# KiCad board Leviathan.kicad_pcb (continued)
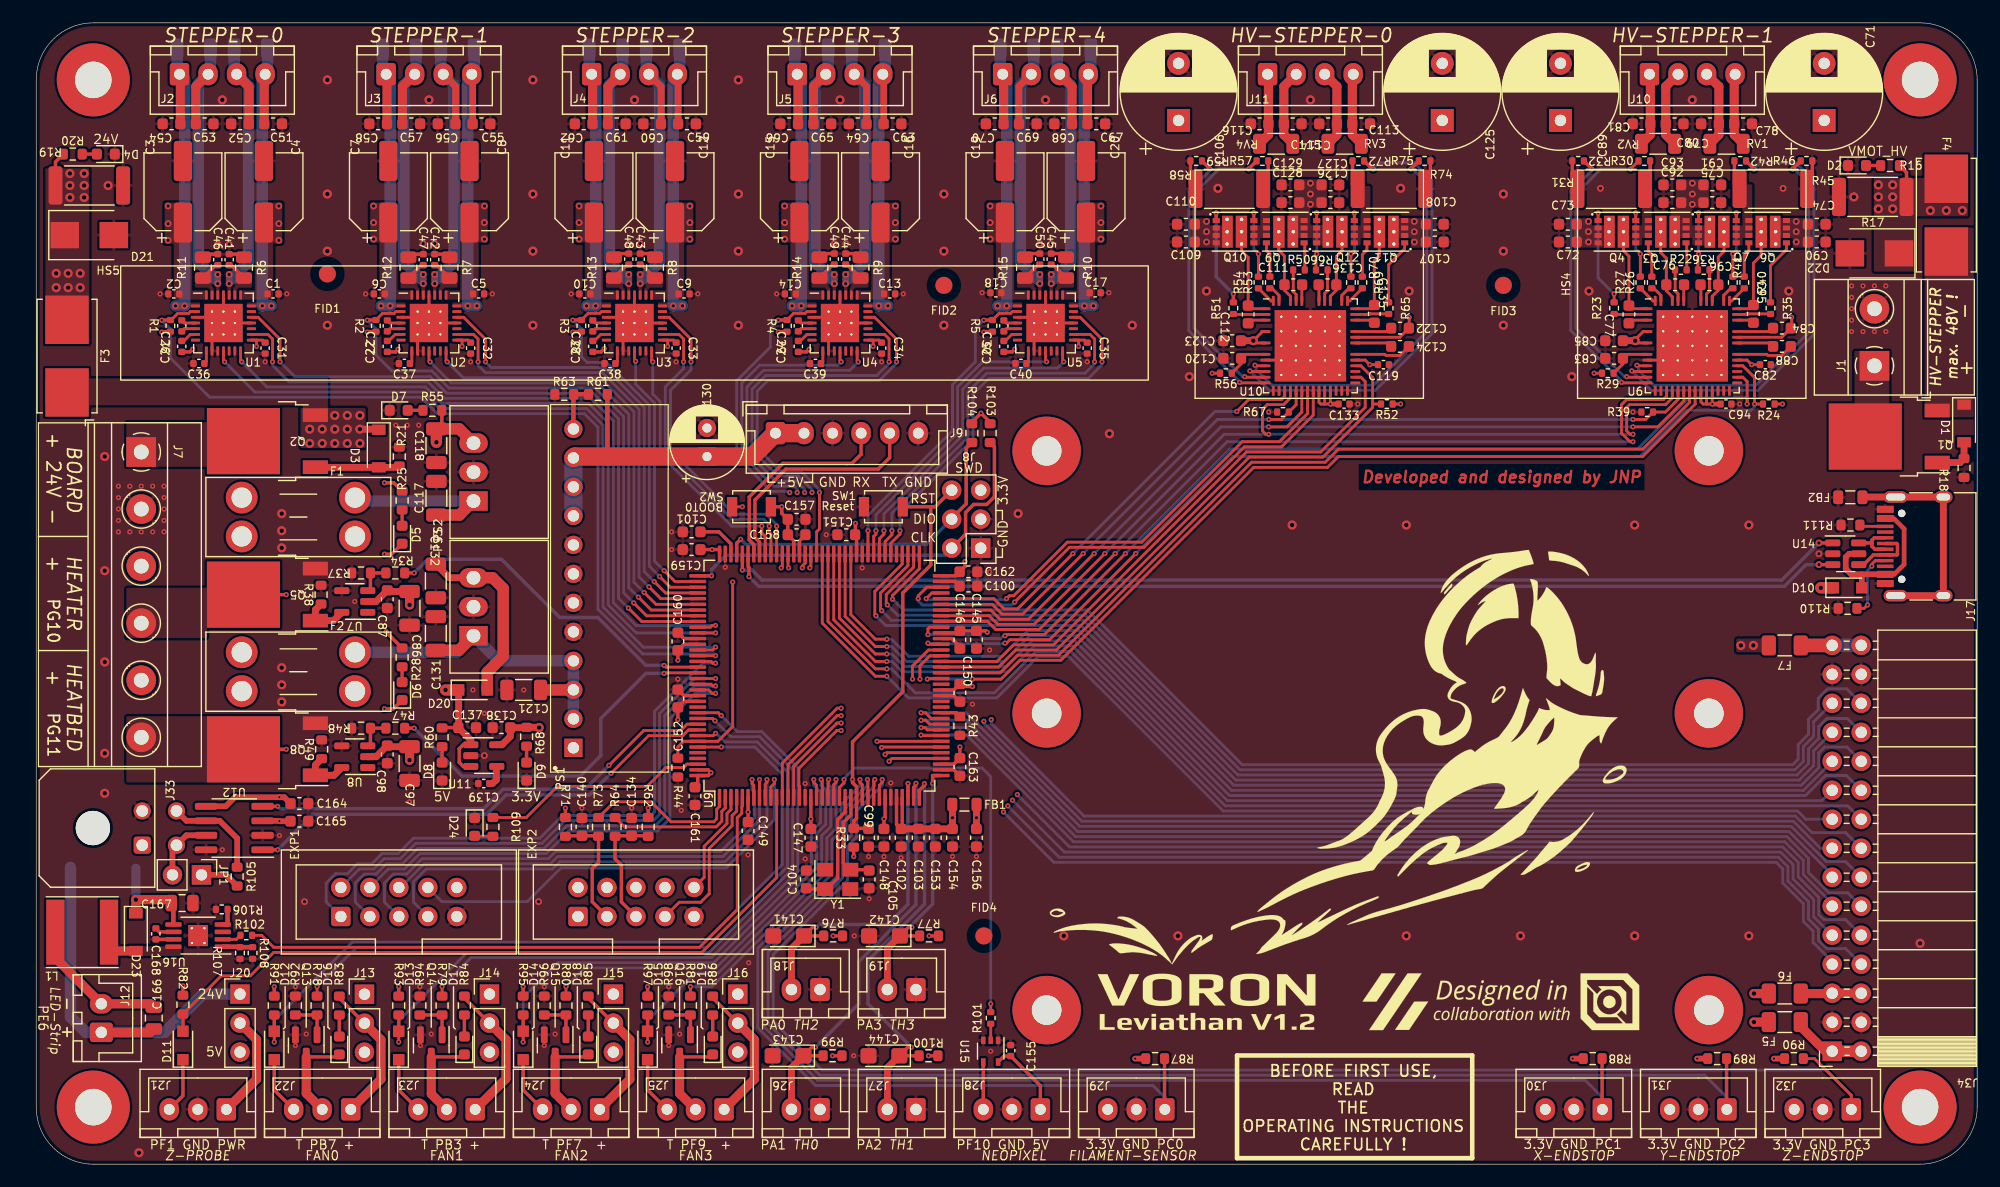
[diagram p0: board, top side]
## Routing (per net, layer and track width the routed paths; a pad name or vN(x,y) marks a point on that pad's centre or on a via; arc(x,y) is an arc through that point) (continued)
  In1.Cu w0.25: v1(70.5,39.3) 74.22,39.3 78.22,35.3 82.1,35.3 v1(85.51,31.89)
  Bottom w0.25: v1(85.51,31.89) 90.05,27.34 152.78,27.34 153.88,26.25 153.88,24.99 155.68,23.19 155.68,21.69 J34.9
PF4: length 108.8
  Top w0.25: v1(70.5,38.65) 70.14,38.65 66.35,34.86 U9.14
  In1.Cu w0.25: v1(85.1,31.39) 81.63,34.85 78.04,34.85 74.24,38.65 v1(70.5,38.65)
  Bottom w0.25: v1(85.1,31.39) 89.59,26.9 152.59,26.9 153.43,26.06 153.43,24.81 155.22,23.01 155.22,21.47 156.1,20.6 156.1,19.6 156.81,18.88 158.47,18.88 J34.8
PF5: length 105.3
  Top w0.25: v1(70.5,38) 70.12,38 66.8,34.68 66.8,33.12 66.85,33.07 U9.15
  In1.Cu w0.25: v1(70.5,38) 74.25,38 77.85,34.4 81.18,34.4 v1(84.72,30.86)
  Bottom w0.25: J34.7 157.3,17.76 155.63,19.43 155.63,20.42 154.78,21.28 154.78,22.82 152.97,24.62 152.97,25.88 152.41,26.44 89.13,26.44 v1(84.72,30.86)
PG2: length 104.7
  Top w0.25: U9.87 70.35,47.85 73.5,44.7 v1(74.5,44.7)
  Bottom w0.25: J34.20 158.55,34.05 156.72,34.05 154.97,32.3 104.51,32.3 90.96,45.85 87.21,45.85 84.96,43.6 76.04,43.6 74.94,44.7 v1(74.5,44.7)
PG3: length 102
  Top w0.25: U9.88 69.85,47.7 73.5,44.05 v1(74.5,44.05)
  Bottom w0.25: v1(74.5,44.05) 74.95,44.05 75.85,43.15 85.15,43.15 87.4,45.4 90.77,45.4 104.32,31.85 156.39,31.85 J34.19
PG4: length 106.6
  Top w0.25: v1(74.5,43.4) 73.5,43.4 69.35,47.55 U9.89
  Bottom w0.25: v1(74.5,43.4) 74.9,43.4 77,41.3 83.94,41.3 87.57,44.93 90.6,44.93 104.14,31.4 158.66,31.4 J34.18
PG5: length 104.6
  Top w0.25: U9.90 68.85,47.4 73.5,42.75 v1(74.5,42.75)
  Bottom w0.25: v1(74.5,42.75) 76.4,40.85 84.12,40.85 87.75,44.48 90.42,44.48 103.96,30.94 154.27,30.94 154.99,30.22 J34.17
PWM_FAN0: length 64
  Top w0.25: U9.137 59.3,37.55 v1(59.5,37.75) ; R78.1 v1(24.6,15.55)
  Bottom w0.25: v1(24.6,15.55) 28.05,19 58.74,19 65.8,26.06 65.8,34.35 63.15,37 60.33,37 59.58,37.75 v1(59.5,37.75)
PWM_FAN1: length 56
  Top w0.25: R79.1 v1(35.55,15.55) ; v1(60,39.3) 59.75,39.55 U9.133
  Bottom w0.25: v1(60,39.3) 61.4,37.9 63.55,37.9 66.71,34.74 66.71,25.66 59.15,18.1 38.1,18.1 v1(35.55,15.55)
PWM_FAN2: length 36.9
  Top w0.25: v1(68.75,33.7) 68.85,33.6 U9.19 ; R80.1 v1(46.4,15.55)
  Bottom w0.25: v1(68.75,33.7) 68.75,33.2 69.15,32.8 69.15,29.77 68.35,28.97 68.35,26.01 59.54,17.2 48.05,17.2 v1(46.4,15.55)
PWM_FAN3: length 27
  Top w0.25: U9.21 69.85,33.25 70.05,33.45 v1(70.05,33.7) ; R81.1 v1(57.3,15.55)
  Bottom w0.25: v1(70.05,33.7) 70.05,29.4 69.25,28.6 69.25,25.61 59.19,15.55 v1(57.3,15.55)
PWM_Heatbed: length 33.1
  Top w0.25: v1(55,43) 55.05,43.05 U9.126
  Top w0.3: R47.1 v1(33.1,38.2)
  Bottom w0.3: v1(33.1,38.2) 37.3,34 47.65,34 49.45,35.8 49.45,39.05 53.4,43 v1(55,43)
PWM_Hotend: length 30.1
  Top w0.25: U9.125 55.15,43.55 v1(55,43.7)
  Top w0.3: R34.1 v1(33.1,51.8)
  Bottom w0.3: v1(33.1,51.8) 34.3,53 40.75,53 45.85,47.9 49.2,47.9 53.4,43.7 v1(55,43.7)
SD_DET: length 14.1
  Top w0.25: EXP2.7 56.32,22.95 58.2,22.95 58.95,23.7 58.95,27.66 60.95,29.66 60.95,30.54 61.35,30.94 U9.4
SPI1_CS: length 36
  Top w0.25: U9.40 74.95,35.55 v1(74.7,35.3)
  In1.Cu w0.25: EXP2.4 53.25,27.5 58.36,27.5 61.3,30.44 61.3,33.99 62.61,35.3 v1(74.7,35.3)
SPI1_MISO: length 44.2
  Top w0.25: U9.42 74.1,36.55 v1(74.05,36.5)
  In1.Cu w0.25: v1(74.05,36.5) 62.54,36.5 60.4,34.36 60.4,30.81 57.99,28.4 49.45,28.4 45.8,24.75 45.8,23.35 EXP2.1
SPI1_MOSI: length 55.1
  Top w0.25: U9.43 v1(73.65,37.05)
  In1.Cu w0.25: EXP2.6 51.25,22.96 51.25,21 50.5,20.25 46.25,20.25 45.35,21.15 45.35,24.94 49.26,28.85 57.8,28.85 59.95,31 59.95,34.55 62.45,37.05 v1(73.65,37.05)
SPI1_SCK: length 38.8
  Top w0.25: U9.41 74.5,36.05 v1(74.35,35.9)
  In1.Cu w0.25: v1(74.35,35.9) 62.57,35.9 60.85,34.18 60.85,30.63 58.17,27.95 51.16,27.95 EXP2.2
SPI2_CLK: length 98.2
  Top w0.25: U9.74 76.85,52.31 74.45,49.91 74.45,49.1 v1(74.55,49)
  Bottom w0.25: v1(74.55,49) 75.45,48.1 91.89,48.1 105.44,34.55 154.04,34.55 154.78,35.29 154.78,36.59 155.68,37.49 155.68,38.75 J34.25
SPI2_CS: length 101.2
  Top w0.25: U9.73 77.35,52.17 75,49.82 v1(75,49.5)
  Bottom w0.25: v1(75,49.5) 75.95,48.55 92.08,48.55 105.63,35 153.85,35 154.32,35.47 154.32,36.77 155.22,37.67 155.22,38.97 156.08,39.83 156.08,40.82 156.91,41.65 158.57,41.65 J34.26
SPI2_MISO: length 101.7
  Top w0.25: v1(74.05,48.5) 73.95,48.6 73.95,50.04 76.35,52.44 U9.75
  Bottom w0.25: J34.24 158.63,39.05 156.85,39.05 156.12,38.33 156.12,37.3 155.22,36.4 155.22,35.1 154.22,34.1 105.25,34.1 91.7,47.65 74.9,47.65 v1(74.05,48.5)
SPI2_MOSI: length 98.7
  Top w0.25: v1(73.55,48.05) 73.45,48.15 73.45,50.18 75.85,52.58 U9.76
  Bottom w0.25: J34.23 155.68,36.22 155.68,34.92 154.41,33.65 105.07,33.65 91.52,47.2 74.4,47.2 v1(73.55,48.05)
SPI4_MISO: length 79.5
  Top w0.25: v1(139.85,64.6) 142.03,64.6 144.3,66.87 U6.17 ; v1(107.95,64.6) 109.55,64.6 110.85,65.9 U10.17 ; v1(92.66,53.49) 86.91,47.75 84.4,47.75 83.6,48.55 U9.66
  Bottom w0.25: v1(92.66,53.49) 103.76,64.6 v1(107.95,64.6) v1(139.85,64.6)
SPI4_MOSI: length 77.6
  Top w0.25: U6.16 143.8,67 142.7,65.9 R39.2 140.96,65.25 v1(139.85,65.25) ; U10.16 110.35,66.54 R67.2 109.06,65.25 v1(107.95,65.25) ; v1(91.7,53.5) 86.4,48.2 84.59,48.2 83.74,49.05 U9.67
  Bottom w0.25: v1(91.7,53.5) 103.45,65.25 v1(107.95,65.25) v1(139.85,65.25)
SPI4_SCK: length 81.5
  Top w0.25: v1(107.95,63.95) 107.7,63.95 107.4,64.25 107.4,66.13 107.82,66.55 109.26,66.55 109.85,67.14 U10.15 ; U9.65 83.46,48.05 84.21,47.3 87.4,47.3 v1(93.6,53.5) ; v1(139.85,63.95) 139.6,63.95 139.3,64.25 139.3,66.3 139.55,66.55 142.71,66.55 143.3,67.14 U6.15
  Bottom w0.25: v1(139.85,63.95) v1(107.95,63.95) 104.05,63.95 v1(93.6,53.5)
STEP_DRV0: length 63.5
  Top w0.25: v1(20.7,70.3) 20.7,72.3 20.3,72.7 U1.16 ; v1(59.5,47.2) 59.2,47.2 59.05,47.05 U9.118
  Bottom w0.25: v1(59.5,47.2) 52.54,47.2 50.55,49.19 50.55,65.13 48.58,67.1 35.75,67.1 34.3,68.55 22.13,68.55 20.7,69.98 v1(20.7,70.3)
STEP_DRV1: length 40.6
  Top w0.25: v1(53.68,50.58) 54.7,49.55 U9.113 ; v1(38.7,70.3) 38.7,72.3 38.3,72.7 U2.16
  Bottom w0.25: v1(38.7,70.3) 38.7,69.98 39.33,69.35 49.58,69.35 52.8,66.13 52.8,51.45 v1(53.68,50.58)
STEP_DRV2: length 27
  Top w0.25: U3.16 56.3,72.7 56.7,72.3 v1(56.7,70.3) ; v1(64.2,55.9) 64.2,55.35 64.35,55.2 U9.99
  Bottom w0.25: v1(56.7,70.3) 56.7,69.7 55.1,68.1 55.1,62.36 60.96,56.5 63.73,56.5 64.2,56.03 v1(64.2,55.9)
STEP_DRV3: length 37.3
  Top w0.25: v1(67.75,52.25) 67.85,52.35 U9.92 ; U4.16 74.3,72.7 74.7,72.3 v1(74.7,70.3)
  In1.Cu w0.25: v1(67.95,58.85) 67.95,53.2 67.75,53 v1(67.75,52.25)
  Bottom w0.25: v1(67.95,58.85) 67.95,59.1 66.75,60.3 64.96,60.3 62.7,62.56 62.7,67.91 63.89,69.1 73.63,69.1 74.7,70.17 v1(74.7,70.3)
STEP_DRV4: length 33.5
  Top w0.25: U9.79 74.35,54.55 74.95,55.15 v1(74.95,55.5) ; U5.16 92.3,72.7 92.7,72.3 v1(92.7,70.3)
  Bottom w0.25: v1(92.7,70.3) 92.7,70.14 91.86,69.3 83.25,69.3 81.6,67.65 81.6,63.69 74.95,57.04 v1(74.95,55.5)
STEP_DRV_HV0: length 43.7
  Top w0.25: U9.69 78.45,50.05 v1(77.95,49.55) ; U10.18 111.35,65.76 108.89,63.3 105.63,63.3 96.83,54.5 90.31,54.5 85.61,49.8 85.23,49.8 v1(84.98,49.55)
  Bottom w0.25: v1(77.95,49.55) 78.05,49.45 84.88,49.45 v1(84.98,49.55)
STEP_DRV_HV1: length 76.4
  Top w0.25: U9.55 84.42,43.05 85.97,44.6 89.55,44.6 106.45,61.5 112.9,61.5 114.05,62.65 140.72,62.65 144.8,66.73 U6.18
SWCLK: length 35.2
  Top w0.3: J8.2 81.4,55.19 81.4,57.1 82.1,57.8 83.25,57.8 83.93,58.47 83.93,62.85 R103.2 ; v1(59.15,51.55) U9.109
  Bottom w0.3: v1(59.15,51.55) 59.15,52.1 60.4,53.35 79.56,53.35 J8.2
SWDIO: length 28.5
  Top w0.3: J8.4 80.19,56.59 81.45,57.86 81.45,62.72 R104.2 ; v1(61.7,54.75) 61.35,54.4 U9.105
  Bottom w0.3: v1(61.7,54.75) 62.15,54.3 77.97,54.3 J8.4
TACH0: length 70.7
  Top w0.25: U9.139 v1(60,36.55) ; D12.2 v1(20.85,10.7)
  Top w0.3: R91.2 D12.2
  Bottom w0.25: v1(20.85,10.7) 20.85,12.61 27.69,19.45 58.54,19.45 65.35,26.26 65.35,34.15 62.95,36.55 v1(60,36.55)
TACH1: length 63.1
  Top w0.25: v1(59.45,38.85) 59.25,39.05 U9.134 ; D13.2 v1(31.75,10.7)
  Top w0.3: R93.2 D13.2
  Bottom w0.25: v1(31.75,10.7) 31.75,12.56 37.74,18.55 58.92,18.55 66.26,25.88 66.26,34.56 63.36,37.45 60.85,37.45 v1(59.45,38.85)
TACH2: length 46.1
  Top w0.25: v1(68.1,33.7) 68.1,33.45 68.35,33.2 U9.18 ; D14.2 v1(42.65,10.7)
  Top w0.3: R95.2 D14.2
  Bottom w0.25: v1(68.1,33.7) 68.1,33.21 68.7,32.61 68.7,29.95 67.9,29.15 67.9,26.21 59.34,17.65 45.7,17.65 42.65,14.6 v1(42.65,10.7)
TACH3: length 34.9
  Top w0.25: D15.2 v1(53.55,10.7) ; U9.20 69.35,33.65 v1(69.4,33.7)
  Top w0.3: R97.2 D15.2
  Bottom w0.25: v1(53.55,10.7) 53.55,12.58 57.72,16.75 59.74,16.75 68.8,25.81 68.8,28.78 69.6,29.58 69.6,33.05 69.4,33.25 v1(69.4,33.7)
TH0: length 36.1
  Top w0.3: R99.2 C143.1 67.95,10.25 v1(68.25,10.25) ; 77,33.15 76.85,33 U9.35
  Top w0.6: C143.1 66.15,8.45 J26.2
  Bottom w0.3: v1(77.05,33.37) 77.05,22.75 72.05,17.75 72.05,14.05 v1(68.25,10.25)
TH1: length 36.3
  Top w0.3: U9.36 77.35,32.75 77.8,33.2 v1(77.8,33.35) ; R100.2 C144.1 76.35,10.25 v1(76.65,10.25)
  Top w0.6: C144.1 74.55,8.45 J27.2
  Bottom w0.3: v1(77.8,33.35) 77.8,22.79 72.85,17.84 72.85,14.05 v1(76.65,10.25)
TH2: length 28.9
  Top w0.3: R76.2 C141.1 68,20.75 v1(68.3,20.75) ; U9.34 v1(76.35,33.35)
  Top w0.6: J18.2 66.15,18.9 C141.1
  Bottom w0.3: v1(68.3,20.75) 68.55,21 74.57,21 76.35,22.78 v1(76.35,33.35)
TH3: length 23
  Top w0.3: U9.37 78.51,34.05 v1(78.51,33.36) ; 77.38,20 C142.1 76.4,20.75 v1(76.7,20.75)
  Top w0.6: C142.1 74.55,18.9 J19.2
  Bottom w0.3: v1(76.7,20.75) 76.7,20.99 78.51,22.8 v1(78.51,33.36)
UART_DRV0: length 63.2
  Top w0.25: U9.119 v1(59.5,46.55) ; U1.14 17.9,70.4 v1(18,70.3)
  Bottom w0.25: v1(18,70.3) 20.2,68.1 34.09,68.1 35.54,66.65 48.39,66.65 50.1,64.94 50.1,49 52.55,46.55 v1(59.5,46.55)
UART_DRV1: length 40.5
  Top w0.25: U9.114 54.29,49.05 v1(53.25,50.09) ; U2.14 35.9,70.4 v1(36,70.3)
  Bottom w0.25: v1(53.25,50.09) 52.35,50.99 52.35,65.94 49.39,68.9 37.4,68.9 v1(36,70.3)
UART_DRV2: length 23.4
  Top w0.25: v1(63.55,55.9) 63.55,55.3 63.85,55 U9.100 ; v1(54,70.3) 53.9,70.4 U3.14
  Bottom w0.25: v1(63.55,55.9) 60.93,55.9 54.65,62.18 54.65,66.83 54,67.48 v1(54,70.3)
UART_DRV3: length 32
  Top w0.25: U4.14 71.9,70.4 v1(72,70.3) ; v1(67.1,52.25) 67.1,52.41 67.35,52.66 U9.93
  In1.Cu w0.25: v1(67.1,52.25) 67.1,53.14 67.3,53.34 v1(67.3,58.85)
  Bottom w0.25: v1(72,70.3) 71.25,69.55 63.7,69.55 62.25,68.1 62.25,62.37 64.77,59.85 66.56,59.85 67.3,59.11 v1(67.3,58.85)
UART_DRV4: length 28.3
  Top w0.25: U9.80 73.85,54.8 74.25,55.2 v1(74.25,55.5) ; U5.14 89.9,70.4 v1(90,70.3)
  Bottom w0.25: v1(90,70.3) 89.45,69.75 82.99,69.75 81.15,67.91 81.15,63.87 74.25,56.97 v1(74.25,55.5)
UART_RX: length 18.4
  Top w0.3: U9.102 62.85,54.3 62.45,54.7 62.45,58.45 65.4,61.4 71.45,61.4 72.25,62.2 J9.4
UART_TX: length 20.4
  Top w0.3: U9.101 63.35,54.51 62.95,54.91 62.95,58.2 65.65,60.9 73.75,60.9 74.75,61.9 J9.5
USB_N: length 98.1
  Top w0.3: v1(62.42,51.48) 62.42,52.29 62.35,52.36 U9.103 ; 157.39,52.53 v2(156.14,52.53)
  Bottom w0.3: v1(62.42,51.48) 63.28,50.62 153.11,50.62 155.02,52.53 v2(156.14,52.53)
USB_P: length 98.7
  Top w0.3: 157.39,54.43 v2(156.14,54.43) ; U9.104 v1(61.85,52.05)
  Bottom w0.3: v2(156.14,54.43) 152.88,51.17 63.58,51.17 62.7,52.05 v1(61.85,52.05)
VMOT_1: length 15
  Top w0.25: v1(120.25,74.2) 120.25,73.28 C122.1 119.43,72.45 U10.33 ; v1(153.75,74.2) 153.75,73.33 C84.1 152.88,72.45 U6.33
  Top w0.3: R17.2 163.81,86.89 R16.2
  vias: v2(102.5,82.6) v2(102.5,81.7) v2(102.5,80.8) v2(111.6,85.95) v2(111.6,85) v2(111.6,84.1) v2(120.7,82.6) v2(120.7,81.7) v2(120.7,80.8) v2(135.95,82.6) v2(135.95,81.7) v2(135.95,80.8) v2(145.05,85.95) v2(145.05,85) v2(145.05,84.1) v2(154.15,82.6) v2(154.15,81.7) v2(154.15,80.8) v3(161.35,85.8) v3(161.35,84.75) v3(161.35,83.7) v3(162.6,85.8) v3(162.6,84.75) v3(162.6,83.7) v3(165.9,83.55) v3(167.3,83.55) v3(168.7,83.55)
X-Endstop: length 108.6
  Top w0.25: U9.27 72.85,33.65 v1(72.8,33.7)
  Top w0.3: R88.1 137.15,4.82 J30.1
  Bottom w0.25: J30.1 137.18,5.85 135.68,7.35 68.44,7.35 63.65,12.14 63.65,18.74 70.15,25.24 70.15,28.22 70.95,29.02 70.95,31.32 72.8,33.17 v1(72.8,33.7)
Y-Endstop: length 119
  Top w0.25: v1(73.45,33.7) 73.35,33.6 U9.28
  Top w0.3: J31.1 148.05,4.82 R89.1
  Bottom w0.25: J31.1 148.07,5.85 146.13,7.8 68.62,7.8 64.1,12.32 64.1,18.55 70.6,25.05 70.6,28.04 71.4,28.84 71.4,31.14 73.45,33.19 v1(73.45,33.7)
Z-Endstop: length 131.9
  Top w0.25: U9.29 73.85,33.2 74.1,33.45 v1(74.1,33.7) ; J32.1 158.97,6.03 155.75,9.25 154.78,9.25
  Bottom w0.25: J32.1 158.97,6.05 156.78,8.25 68.81,8.25 64.55,12.51 64.55,18.37 71.05,24.87 71.05,27.85 71.85,28.65 71.85,30.95 74.1,33.2 v1(74.1,33.7)
Z_PROBE: length 65.5
  Top w0.25: U9.11 64.85,25.1 58.3,18.55 20.8,18.55 18.75,16.5 16.2,16.5 R82.2
  Top w0.3: R82.2 D11.2
~{RESET}: length 58.6
  Top w0.3: 78.35,57.6 78.73,57.6 80.19,59.06 ; 78.35,57.6 78.35,52.5 75.9,50.05 75.9,41.4 71.5,37 v1(71.5,33.7) 71.5,33.43 71.85,33.08 U9.25 71.85,30.3 71.6,30.05 71.6,29.43 72.85,29.43 C99.1 ; 78.35,57.6 SW1.2
  In1.Cu w0.25: v1(71.5,33.7) 71.5,32.4 65.05,25.95 56.78,25.95 EXP2.8
Net-(C21-Pad2): length 1.4
  Top w0.25: U1.6 13.5,72.7 12.93,72.13 C21.2
Net-(C22-Pad2): length 1.4
  Top w0.25: U2.6 31.45,72.7 30.88,72.13 C22.2
Net-(C23-Pad2): length 1.4
  Top w0.25: U3.6 49.45,72.7 48.88,72.13 C23.2
Net-(C24-Pad2): length 1.4
  Top w0.25: C24.2 66.93,72.13 67.5,72.7 U4.6
Net-(C25-Pad2): length 1.4
  Top w0.25: U5.6 85.45,72.7 84.88,72.13 C25.2
Net-(C26-Pad1): length 1.3
  Top w0.25: C26.1 12.98,73.7 U1.4
Net-(C26-Pad2): length 1.3
  Top w0.25: C26.2 12.98,73.2 U1.5
Net-(C27-Pad1): length 1.3
  Top w0.25: U2.4 30.98,73.7 C27.1
Net-(C27-Pad2): length 1.3
  Top w0.25: C27.2 30.98,73.2 U2.5
Net-(C28-Pad1): length 1.3
  Top w0.25: U3.4 48.98,73.7 C28.1
Net-(C28-Pad2): length 1.3
  Top w0.25: U3.5 48.98,73.2 C28.2
Net-(C29-Pad1): length 1.3
  Top w0.25: C29.1 66.98,73.7 U4.4
Net-(C29-Pad2): length 1.3
  Top w0.25: C29.2 66.98,73.2 U4.5
Net-(C30-Pad1): length 1.3
  Top w0.25: C30.1 84.98,73.7 U5.4
Net-(C30-Pad2): length 1.3
  Top w0.25: U5.5 84.98,73.2 C30.2
Net-(C36-Pad2): length 1.2
  Top w0.25: U1.8 14.9,70.32 C36.2
Net-(C37-Pad2): length 1.2
  Top w0.25: U2.8 32.9,70.32 C37.2
Net-(C38-Pad2): length 1.2
  Top w0.25: C38.2 50.9,70.32 U3.8
Net-(C39-Pad2): length 1.2
  Top w0.25: C39.2 68.9,70.32 U4.8
Net-(C40-Pad2): length 1.2
  Top w0.25: U5.8 86.9,70.32 C40.2
Net-(C41-Pad2): length 1.8
  Top w0.3: C41.2 17.07,78.77 R6.1
Net-(C42-Pad2): length 1.8
  Top w0.3: R7.1 35.07,78.77 C42.2
Net-(C43-Pad2): length 1.8
  Top w0.3: C43.2 53.02,78.82 R8.1
Net-(C44-Pad2): length 1.8
  Top w0.3: C44.2 71.02,78.82 R9.1
Net-(C45-Pad2): length 1.8
  Top w0.3: C45.2 89.02,78.82 R10.1
Net-(C46-Pad2): length 1.8
  Top w0.3: R11.1 15.73,78.77 C46.2
Net-(C47-Pad2): length 1.8
  Top w0.3: R12.1 33.73,78.77 C47.2
Net-(C48-Pad2): length 1.8
  Top w0.3: R13.1 51.78,78.82 C48.2
Net-(C49-Pad2): length 1.8
  Top w0.3: C49.2 69.78,78.82 R14.1
Net-(C50-Pad2): length 1.8
  Top w0.3: C50.2 87.78,78.82 R15.1
Net-(C76-Pad1): length 12.3
  Top w0.25: Q3.9 142.28,79.87 142.78,79.38 C76.1 142.78,76.53 143.3,76 U6.45
  Top w0.8: RV2.1 142.72,90.19 C80.1 142.72,94.42 J10.2
Net-(C76-Pad2): length 1.4
  Top w0.25: U6.43 144.3,77.03 144.32,77.05
Net-(C77-Pad1): length 13.8
  Top w0.25: U6.1 139.78,74.95 139.5,75.22 139.5,79.55 139.02,80.03 Q4.9
  Top w0.8: J10.1 141.38,95.42 C81.1 141.38,90.19 RV2.2
Net-(C77-Pad2): length 1.7
  Top w0.25: U6.3 139.78,73.95 C77.2
Net-(C78-Pad1): length 13.6
  Top w0.25: U6.37 150.07,74.95 C95.1 150.4,78.94 151.08,79.62 Q6.9
  Top w0.8: RV1.2 148.72,90.19 C78.1 148.72,95.42 J10.4
Net-(C79-Pad1): length 12.3
  Top w0.25: U6.40 146.8,76.04 147.32,76.57 147.32,79.48 147.82,79.98 Q7.9
  Top w0.8: RV1.1 147.38,90.19 C79.1 147.38,94.42 J10.3
Net-(C82-Pad1): length 19
  Top w0.25: C82.1 v1(150.25,70.05) 149.85,70.45 U6.30 ; R29.1 v1(136.45,69.3)
  In1.Cu w0.4: v1(150.25,70.05) 150.25,69.45 148.1,67.3 138.45,67.3 v1(136.45,69.3)
Net-(C83-Pad1): length 3.9
  Top w0.25: U6.6 139.32,70.95 C83.1 138.97,70.11 R29.2
Net-(C84-Pad2): length 3.3
  Top w0.25: C84.2 151.82,72.95 U6.34
Net-(C88-Pad1): length 5.1
  Top w0.25: C88.1 152.87,70.85 151.67,70.85 151.57,70.95 U6.31
Net-(C88-Pad2): length 3.3
  Top w0.25: C88.2 151.82,71.95 U6.32
Net-(C95-Pad2): length 1.5
  Top w0.25: U6.35 150.18,73.95 C95.2
Net-(C96-Pad2): length 1.4
  Top w0.25: U6.42 145.8,77.03 C96.2
Net-(C100-Pad1): length 1.8
  Top w0.3: U9.71 80.47,51.05 C100.1
Net-(C101-Pad1): length 4
  Top w0.3: U9.106 60.85,54.35 59.8,55.4 C101.1
Net-(C104-Pad1): length 10.5
  Top w0.3: U9.23 70.85,30.85 70.2,30.2 70.2,25.05 69.25,24.1 Y1.1 67.53,24.1 67.45,24.18
Net-(C105-Pad1): length 8.5
  Top w0.3: U9.24 71.35,30.6 70.7,29.95 70.7,26.4 Y1.3 72.88,25.8 C105.1
Net-(C111-Pad1): length 12.3
  Top w0.25: U10.45 109.85,76.05 109.32,76.58 C111.1 109.32,79.58 108.83,80.07 Q9.9
  Top w0.8: RV4.1 109.28,90.19 C115.1 109.28,94.42 J11.2
Net-(C111-Pad2): length 1.4
  Top w0.25: C111.2 110.85,77.03 U10.43
Net-(C112-Pad1): length 13.7
  Top w0.25: U10.1 106.43,74.95 106.15,75.22 106.15,79.44 105.57,80.02 Q10.9
  Top w0.8: J11.1 107.93,95.42 C116.1 107.93,90.19 RV4.2
Net-(C112-Pad2): length 1.6
  Top w0.25: C112.2 106.43,73.95 U10.3
Net-(C113-Pad1): length 13.8
  Top w0.25: U10.37 116.88,74.95 C135.1 117.2,79.14 117.63,79.57 117.63,80.62
  Top w0.8: RV3.2 115.28,90.19 C113.1 115.28,95.42 J11.4
Net-(C114-Pad1): length 12.3
  Top w0.25: Q12.9 114.37,80.02 113.88,79.53 C136.1 113.88,76.58 113.35,76.05 U10.40
  Top w0.8: RV3.1 113.93,90.19 C114.1 113.93,94.42 J11.3
Net-(C119-Pad1): length 19
  Top w0.25: C119.1 v1(116.8,70.05) 116.4,70.45 U10.30 ; R56.1 v1(103,69.3)
  In1.Cu w0.4: v1(103,69.3) 105,67.3 114.65,67.3 116.8,69.45 v1(116.8,70.05)
Net-(C120-Pad1): length 3.9
  Top w0.25: U10.6 105.88,70.95 C120.1 105.53,70.11 R56.2
Net-(C122-Pad2): length 3.3
  Top w0.25: 118.68,73.25 118.38,72.95 U10.34
Net-(C124-Pad1): length 5.1
  Top w0.25: U10.31 118.12,70.95 118.22,70.85 119.42,70.85 C124.1
Net-(C124-Pad2): length 3.3
  Top w0.25: 118.68,71.65 118.38,71.95 U10.32
Net-(C132-Pad1): length 16.3
  Top w0.6: 35,52.58 36.19,51.38 PS3.3
  Top w1: PS3.3 39.97,51.38 40.9,50.45 40.9,44.5 39.5,43.1 D20.2
Net-(C135-Pad2): length 1.8
  Top w0.25: C135.2 116.97,73.95 U10.35
Net-(C136-Pad2): length 1.4
  Top w0.25: C136.2 112.35,77.03 U10.42
Net-(C139-Pad1): length 1.6
  Top w0.6: 39.97,33.35 40.3,33.67 40.3,34.85
Net-(C166-Pad2): length 12.7
  Top w0.8: L1.2 1.68,18.07 J12.2 10,14.05 C166.2
Net-(C168-Pad1): length 1.7
  Top w0.3: U16.6 10.78,20.35 C168.1
Net-(D1-Pad1): length 0.2
  Top w0.6: 166.69,66.17 166.52,66
Net-(D1-Pad2): length 3.9
  Top w0.6: Q1.1 168.5,61.47 R18.1 D1.2
Net-(D2-Pad2): length 1.3
  Top w0.3: D2.2 R16.1
Net-(D3-Pad2): length 7.4
  Top w0.6: Q2.1 24.47,61.05 D3.2 31.67,61.05 R21.1
Net-(D4-Pad2): length 1.3
  Top w0.3: D4.2 4.02,88.5
Net-(D5-Pad2): length 1.4
  Top w0.3: R25.1 D5.2
Net-(D6-Pad2): length 1.3
  Top w0.3: R28.1 D6.2
Net-(D7-Pad2): length 1.3
  Top w0.3: R55.1 D7.2
Net-(D8-Pad2): length 1.4
  Top w0.3: R60.1 D8.2
Net-(D9-Pad2): length 1.4
  Top w0.3: R68.1 D9.2
Net-(D10-Pad2): length 13.5
  Top w0.4: 161.94,51.68 162.73,51.68 163.6,52.55 163.6,55.67 162.69,56.58
  Top w0.5: 159.9,51.68 161.94,51.68 ; 159.9,51.68 D10.2 ; 159.9,51.68 158.97,51.68 158.49,52.16 158.49,53.19 158.78,53.48 159.59,53.48
Net-(D11-Pad1): length 4.8
  Top w0.3: D11.1 12.85,6 J21.3
Net-(D12-Pad1): length 5.1
  Top w0.3: D12.1 20.85,6.5 J22.3
Net-(D13-Pad1): length 5.1
  Top w0.3: J23.3 31.75,6.5 D13.1
Net-(D14-Pad1): length 5.1
  Top w0.3: D14.1 42.65,6.5 J24.3
Net-(D15-Pad1): length 5.1
  Top w0.3: D15.1 53.55,6.5 J25.3
Net-(D16-Pad1): length 8.2
  Top w0.3: D16.1 26.34,9.4 23.65,9.4
  Top w0.8: J22.2 23.65,6.2 23.65,9.4
Net-(D16-Pad2): length 1.9
  Top w0.3: R83.1 D16.2
Net-(D17-Pad1): length 8.1
  Top w0.3: 34.6,9.4 37.29,9.4 D17.1
  Top w0.8: 34.6,9.4 34.6,6.15 J23.2
Net-(D17-Pad2): length 1.9
  Top w0.3: R84.1 D17.2
Net-(D18-Pad1): length 8.2
  Top w0.3: 45.45,9.4 48.14,9.4 D18.1
  Top w0.8: J24.2 45.45,6.2 45.45,9.4
Net-(D18-Pad2): length 1.9
  Top w0.3: R85.1 D18.2
Net-(D19-Pad1): length 8.2
  Top w0.3: D19.1 59.04,9.4 56.35,9.4
  Top w0.8: J25.2 56.35,6.2 56.35,9.4
Net-(D19-Pad2): length 1.9
  Top w0.3: R86.1 D19.2
Net-(D23-Pad2): length 4
  Top w0.8: 8.73,18.68 6.38,18.68 L1.1
Net-(D24-Pad2): length 1.6
  Top w0.25: 40,28.72 38.44,28.72 D24.2
Net-(F1-Pad1): length 15.7
  Top w0.3: R25.2 31.33,59.7 v1(30.5,59.7)
  In1.Cu w0.3: F1.1 20.25,60.65 29.55,60.65 v1(30.5,59.7)
Net-(F2-Pad1): length 15.8
  Top w0.3: v1(30.65,46.65) 30.65,46.62 32.05,45.22
  In1.Cu w0.3: F2.1 20.3,47.15 30.15,47.15 v1(30.65,46.65)
Net-(F5-Pad1): length 6.6
  Top w0.8: J34.1 156.7,9.9 154.55,12.05 F5.1
  Top w1: J34.2 J34.1
Net-(F6-Pad1): length 5.3
  Top w0.8: J34.6 J34.5 157.27,14.95 F6.1
Net-(F7-Pad1): length 5.3
  Top w1.2: J34.29 157.29,45.45 F7.1
  Bottom w1.2: J34.29 J34.30
Net-(FB2-Pad1): length 19.9
  Top w0.6: FB2.1 159.97,58.45 J17.S1 J17.S1 J17.S1 J17.S1
Net-(J13-Pad2): length 12.5
  Top w0.3: R83.2 26.55,14.55 J13.2
  Top w0.8: J13.2 30.2,10.9 30.2,7.45 J22.1
Net-(J14-Pad2): length 12.6
  Top w0.3: J14.2 37.5,14.56 R84.2
  Top w0.8: J14.2 41.15,10.91 41.15,7.5 J23.1
Net-(J15-Pad2): length 12.5
  Top w0.3: R85.2 48.35,14.56 J15.2
  Top w0.8: J24.1 52,7.45 52,10.91 J15.2
Net-(J16-Pad2): length 12.5
  Top w0.3: R86.2 59.25,14.56 J16.2
  Top w0.8: J25.1 62.9,7.45 62.9,10.91 J16.2
Net-(J17-PadA5): length 6.1
  Top w0.25: v1(160.4,49) 160.1,48.7 R110.1 ; 161.94,52.88 161.08,52.88 160.77,52.57 v1(160.77,52.4)
  Bottom w0.25: v1(160.77,52.4) 160.4,52.03 v1(160.4,49)
Net-(J17-PadA6): length 4.2
  Top w0.3: 160.79,54.43 160.79,54.68 160.99,54.88 161.94,54.88 ; 160.79,54.43 160.79,54.13 161.04,53.88 161.94,53.88 ; 160.79,54.43 U14.6
Net-(J17-PadA7): length 5.7
  Top w0.3: 161.94,54.38 162.95,54.38 163.02,54.31 163.02,53.43 162.97,53.38 160.91,53.38 160.06,52.53 U14.4
Net-(J17-PadB5): length 2.3
  Top w0.25: R111.1 159.84,55.88 161.94,55.88
Net-(J20-Pad2): length 9.3
  Top w0.8: J21.1 19.3,7.45 19.3,10.91 J20.2
Net-(J28-Pad3): length 4.1
  Top w0.3: U15.4 J28.3
Net-(JP1-Pad1): length 3.5
  Top w0.5: JP1.1 16.62,25.35 R105.1
Net-(PS1-Pad12): length 4.3
  Top w0.4: R61.1 R63.2 47.05,67.42 PS1.12
Net-(Q3-Pad1): length 2.4
  Top w0.25: 144.5,80.72 144.56,80.67 R22.2
Net-(Q3-Pad5): length 2.6
  Top w0.3: R30.2 141.36,85.9 R31.1
Net-(Q3-Pad8): length 3.1
  Top w0.25: R26.2 141.5,79.7 141.2,80 141.2,80.72
Net-(Q4-Pad1): length 9.1
  Top w0.25: R23.2 v1(138.2,76.25) ; Q4.1 v1(136.8,83.35)
  Bottom w0.25: v1(136.8,83.35) 136.8,77.65 v1(138.2,76.25)
Net-(Q4-Pad8): length 6.4
  Top w0.25: v1(140.1,83.35) Q4.8 ; R27.2 v1(140.5,79.75)
  Bottom w0.25: v1(140.1,83.35) 140.1,80.15 v1(140.5,79.75)
Net-(Q5-Pad1): length 4.3
  Top w0.6: R38.2 24.45,48.58 Q5.1 26.03,47.62 U7.5
Net-(Q6-Pad1): length 5.8
  Top w0.25: 153.3,80.72 153.3,80.13 151.9,78.73 R35.2
Net-(Q6-Pad5): length 2.6
  Top w0.3: R45.1 148.74,85.9 R42.2
Net-(Q6-Pad8): length 3.1
  Top w0.25: 150,80.72 150,80 149.6,79.6 R40.2
Net-(Q7-Pad1): length 5.7
  Top w0.25: v1(145.6,83.35) Q7.1 ; v1(145.6,79.75) 145.54,79.69 R36.2
  Bottom w0.25: v1(145.6,83.35) v1(145.6,79.75)
Net-(Q7-Pad8): length 6.4
  Top w0.25: v1(148.9,83.35) Q7.8 ; R41.2 v1(148.6,79.75)
  Bottom w0.25: v1(148.6,79.75) 148.9,80.05 v1(148.9,83.35)
Net-(Q8-Pad1): length 4.3
  Top w0.6: R49.2 24.45,34.97 Q8.1 26.08,34.07 U8.5
Net-(Q9-Pad1): length 2.4
  Top w0.25: 111.05,80.72 111.11,80.67 R50.2
Net-(Q9-Pad8): length 3.1
  Top w0.25: R53.2 108.05,79.75 107.75,80.05 107.75,80.72
Net-(Q10-Pad1): length 9.1
  Top w0.3: R51.2 v1(104.85,76.25) ; Q10.1 v1(103.35,83.35)
  Bottom w0.3: v1(103.35,83.35) 103.35,77.75 v1(104.85,76.25)
Net-(Q10-Pad5): length 2.6
  Top w0.3: R57.2 107.91,85.9 R58.1
Net-(Q10-Pad8): length 6.4
  Top w0.25: Q10.8 v1(106.65,83.35) ; R54.2 v1(107.05,79.75)
  Bottom w0.25: v1(107.05,79.75) 106.65,80.15 v1(106.65,83.35)
Net-(Q11-Pad1): length 5.8
  Top w0.25: 119.85,80.72 119.85,80.2 118.45,78.81 R65.2
Net-(Q11-Pad5): length 2.6
  Top w0.3: R74.1 115.29,85.9 R72.2
Net-(Q11-Pad8): length 3.1
  Top w0.25: 116.55,80.72 116.55,80.1 116.15,79.7 R69.2
Net-(Q12-Pad1): length 5.7
  Top w0.25: v1(112.15,79.75) 112.09,79.69 R66.2 ; Q12.1 v1(112.15,83.35)
  Bottom w0.25: v1(112.15,83.35) v1(112.15,79.75)
Net-(Q12-Pad8): length 6.4
  Top w0.25: R70.2 v1(115.15,79.75) ; Q12.8 v1(115.45,83.35)
  Bottom w0.25: v1(115.45,83.35) 115.45,80.05 v1(115.15,79.75)
Net-(Q13-Pad1): length 3.6
  Top w0.3: 24.6,11.4 R78.2 R92.1
Net-(Q14-Pad1): length 3.6
  Top w0.3: R94.1 R79.2 35.55,11.4
Net-(Q15-Pad1): length 3.6
  Top w0.3: 46.4,11.4 R80.2 R96.1
Net-(Q16-Pad1): length 3.6
  Top w0.3: 57.3,11.4 R81.2 R98.1
Net-(R22-Pad1): length 2.8
  Top w0.25: R22.1 143.55,78.34 143.55,76.5 143.8,76.25 U6.44
Net-(R23-Pad1): length 2.9
  Top w0.25: U6.2 138.24,74.45 R23.1
Net-(R26-Pad1): length 1.5
  Top w0.25: U6.46 142.3,76.12 141.68,76.74 R26.1
Net-(R27-Pad1): length 1.8
  Top w0.25: R27.1 141.6,75.64 U6.47
Net-(R30-Pad1): length 26.5
  Top w0.25: U6.10 139.35,68.95 v1(139.3,69) ; R30.1 139.65,87.21 v1(139.65,87.2)
  Bottom w0.25: v1(139.65,87.2) 137.05,87.2 134.85,85 134.85,73.25 139.1,69 v1(139.3,69)
